# KiCad board CPU.kicad_pcb (continued)
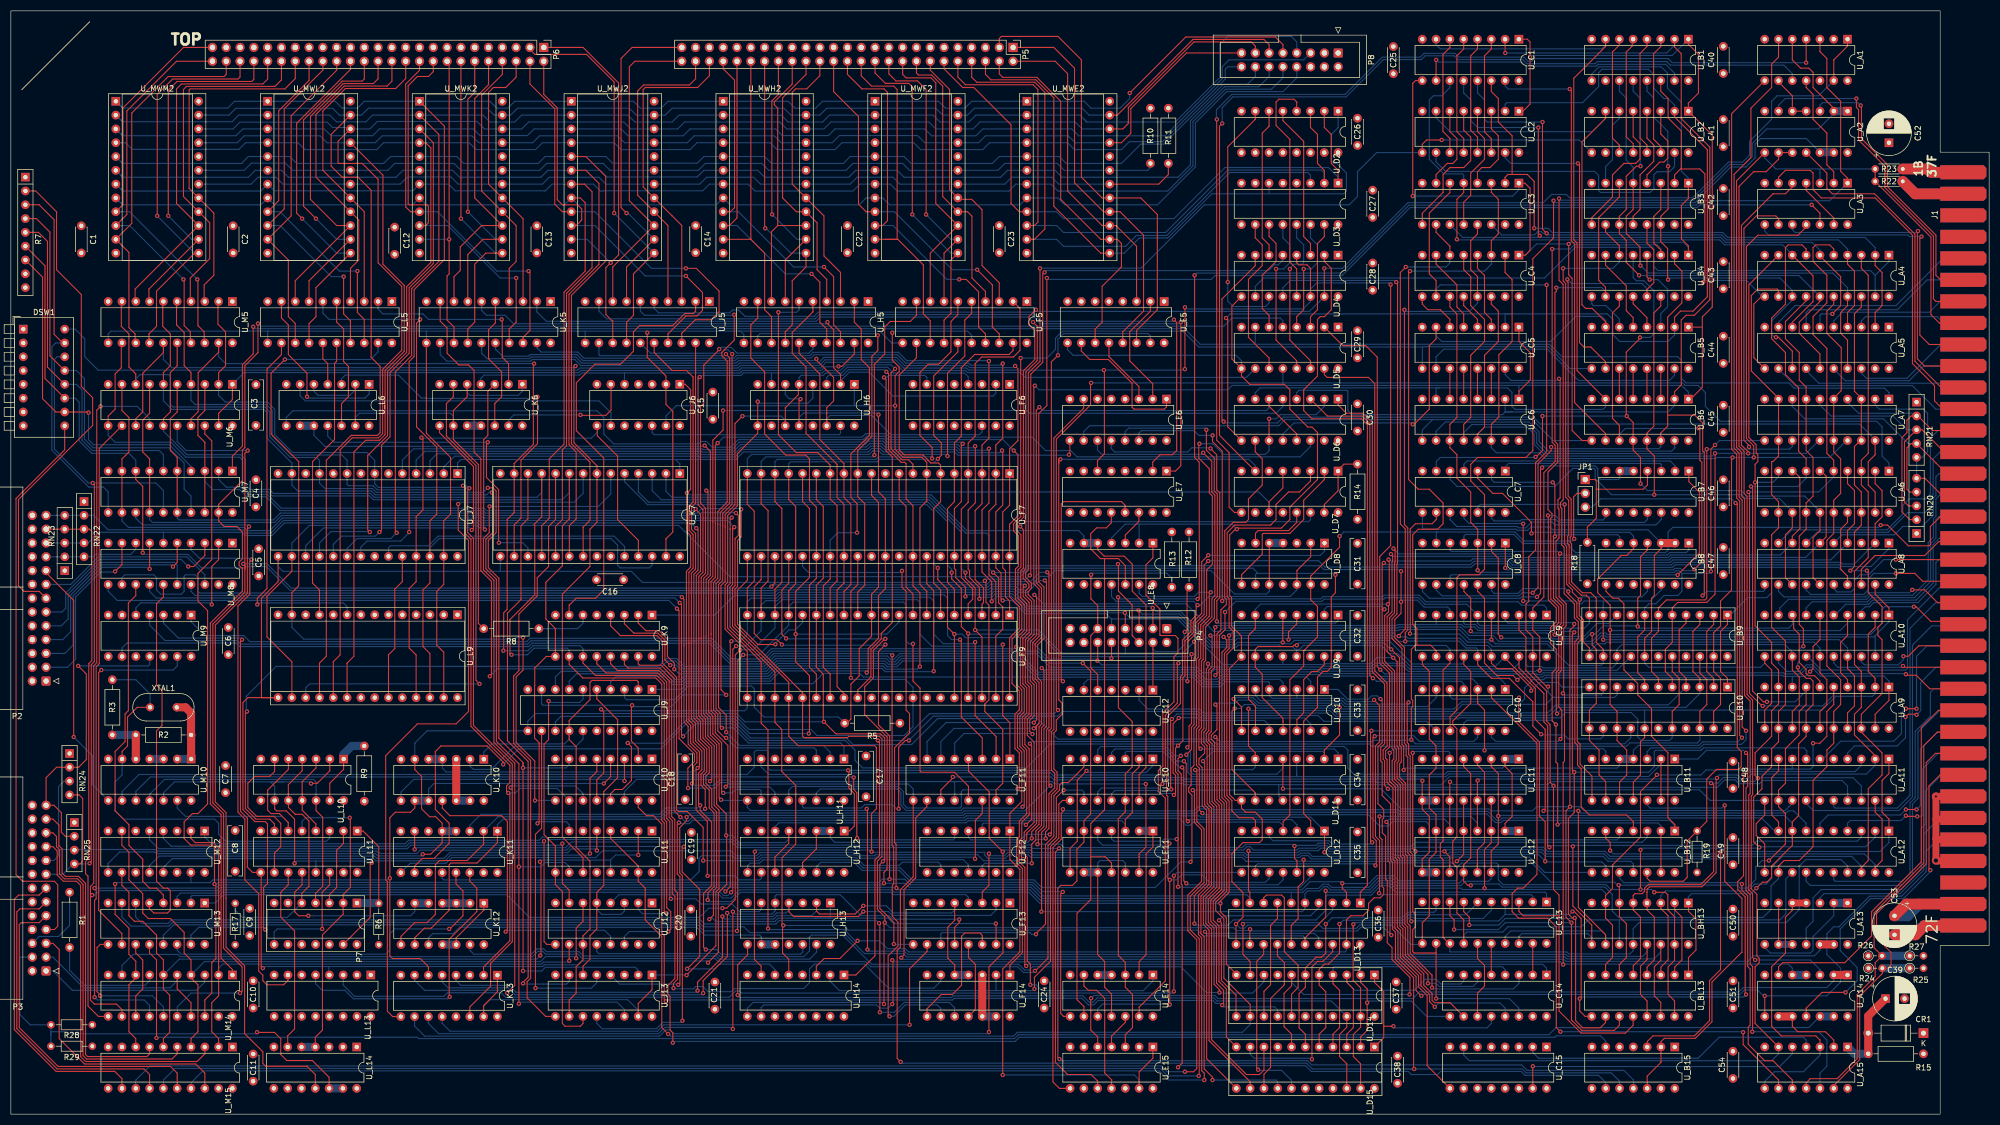
[diagram p0: board, top side]
## Routing (per net, layer and track width the routed paths; a pad name or vN(x,y) marks a point on that pad's centre or on a via; arc(x,y) is an arc through that point) (continued)
  Bottom w0.2: 181.28,25.6 181.28,22.73 152.46,22.73 150.75,24.44 U_H14.2 ; v1(188.34,23.03) 188.04,22.73 181.29,22.73
/~{DMAReadEndStrobe}: length 364.8
  Top w0.2: v1(197.23,82.97) 198.68,81.53 198.68,55.22 197.44,53.98 197.44,50.05 196.15,48.76 196.15,42.91 195.33,42.09 193.17,42.09 192.65,41.56 192.65,10.43 v1(192.95,10.13)
  Bottom w0.2: v1(192.95,10.13) 192.95,9.83 238.59,9.83 239.35,9.07 251.59,9.07 251.6,9.06 277.99,9.06 279,8.05 296.8,8.05 298.58,6.27 298.54,6.23 U_B15.11 ; U_M9.4 25.55,89.95 28.35,87.15 41.63,87.15 42.29,86.48 95.08,86.48 95.7,87.1 128.73,87.1 132.54,83.3 138.25,83.3 140.15,85.19 188.93,85.19 191.15,82.98 197.23,82.98 v1(197.23,82.97)
/~{DSWh_INT_OE}: length 340.2
  Top w0.2: U_M7.1 40.77,121.08 42.6,122.91 42.6,137.91 44.59,139.9 v1(44.59,144.88)
  Bottom w0.2: 345.56,131.74 345.56,132.77 344.75,133.58 328.11,133.58 327.15,134.54 308.23,134.54 307.38,135.4 307.38,138.7 306.71,139.37 285.39,139.37 283.1,141.66 218.82,141.66 215.96,144.52 44.95,144.52 v1(44.59,144.88) ; U_D5.7 228.97,141.67
/~{F11_EN}: length 114.7
  Top w0.2: v1(177.42,46.98) 177.47,47.02 177.47,54.07 178.74,55.34 U_F11.14
  Bottom w0.2: U_K11.12 79.36,43.37 79.64,43.1 125.09,43.1 126.64,44.64 126.64,47.1 127.09,47.55 132.71,47.55 133.17,47.09 137.39,47.09 137.99,47.69 155.71,47.69 156.31,47.09 159.07,47.09 159.25,47.28 177.12,47.28 v1(177.42,46.98)
/~{FPC_SW_4}: length 140.6
  Top w0.2: v1(43.82,108.13) 43.51,107.82 43.51,95.87 37.61,89.97 37.61,57.45 39.59,55.47 39.59,39.75 39.59,39.74 39.59,30.71 43,27.29 43,14.84 46.36,11.48 46.36,9.32 46.87,8.81 54.49,8.81 56.02,7.28 U_L14.11
  Bottom w0.2: U_M7.13 22.98,109.66 24.22,108.42 43.53,108.42 v1(43.82,108.13)
/~{H14_OE}: length 307.4
  Top w0.2: v1(198.76,134.54) 198.66,134.45 198.66,130.5 192.36,124.2 192.36,74.65 v1(192.66,74.35) ; v1(159.52,68.75) 159.58,68.75 159.82,68.5 159.82,47.59 158.99,46.75 158.99,29.12 155.48,25.6 U_H14.1
  Bottom w0.2: U_A6.1 345.56,119.82 344.3,121.08 344.3,126.47 343.28,127.49 314.53,127.49 311.79,130.23 311.79,132.77 310.46,134.09 308.04,134.09 307.59,134.54 234.06,134.54 ; 234.06,134.54 234.05,134.54 U_D5.12 ; 234.06,134.54 v1(198.76,134.54) ; v1(192.66,74.35) 192.01,73.69 169.03,73.69 164.09,68.75 v1(159.52,68.75)
/~{L13A_SET}: length 53.1
  Top w0.2: U_K11.14 84.44,42.87 85.73,41.58 85.73,37.26 80.65,32.18 80.65,21.67 v1(80.74,21.58)
  Bottom w0.2: v1(80.74,21.58) 80.39,21.23 63.02,21.23 61.46,22.78 57.28,22.78 56.06,24 U_L13.5
/~{Level_LD}: length 76.8
  Top w0.2: v1(220.73,122.48) 221.87,121.34 221.87,114.86 222.43,114.3 222.43,95.02 221.9,94.49 v1(221.9,90.65)
  Bottom w0.2: v1(221.9,90.65) 222.19,90.35 243.73,90.35 244.21,90.83 U_D9.1 ; v1(220.73,122.48) 220.6,122.61 217.3,122.61 216.54,121.85 203.08,121.85 202.48,122.45 U_E6.12
/~{M13_EN}: length 67.2
  Top w0.2: 81.9,44.44 81.9,42.36 83.19,41.07 83.19,36.5 80.76,34.08 v1(80.65,34.08)
  Bottom w0.2: U_M13.14 30.59,30.18 31.33,29.43 69,29.43 69.73,30.15 69.73,33.2 70.6,34.08 v1(80.65,34.08)
/~{MainClockPhi1}: length 393.2
  Top w0.2: 140.59,44.47 140.59,47.29 143.13,49.83 143.13,52.09 ; v1(46.36,26.86) 46.05,27.16 46.05,44.38 ; v1(128.27,27.87) 130.18,29.78 130.18,40.74 131.7,42.26 131.7,51.2 v1(131.62,51.28) 131.62,55.25 129.86,57.01 129.86,67.98 128.25,69.59 128.25,72.86 127.48,73.63 127.48,87.79 127.48,87.79 127.48,98.56 128.25,99.34 128.25,114.43 v1(127.96,114.73) ; v1(42.54,87.3) 42.24,87 42.24,55.74 43.51,54.47 43.51,45.44 44.48,44.47 U_L11.9 ; U_D7.11 231.51,112.69 234.05,115.22 U_D7.5
  Bottom w0.2: 57.59,27.16 97.84,27.16 98.16,27.48 104.28,27.48 104.97,28.17 127.97,28.17 v1(128.27,27.87) ; 57.59,27.16 58.5,27.16 58.52,27.14 58.52,25.6 ; 57.59,27.16 46.66,27.16 v1(46.36,26.86) ; v1(131.62,51.28) 132.71,51.28 134.03,49.96 142.5,49.96 143.13,50.59 143.13,52.09 ; U_M9.3 28.09,90.33 30.82,87.6 42.24,87.6 v1(42.54,87.3) ; v1(127.96,114.73) 128.21,114.48 229.62,114.48 231.51,112.59 U_D7.11
/~{MainClockPhi3}: length 68.3
  Bottom w0.2: U_H13.13 148.25,29.8 146.96,28.52 130.3,28.52 129.74,29.08 105.35,29.08 104.53,29.9 98.56,29.9 98.05,30.4 96.78,30.4 95.8,29.43 85.18,29.43 84.48,30.12 84.48,31.19
/~{MAPROM_SEL}: length 358.5
  Top w0.2: v1(157.48,56.18) 157.61,56.05 v1(157.61,30.29) ; 301.06,31.23 301.06,28.44 299.85,27.23 299.85,22.02 301.06,20.81 301.06,17.99 ; v1(130.69,57.84) 130.32,58.2 130.32,68.17 128.71,69.78 128.71,73.05 127.94,73.82 127.94,87.98 127.93,87.98 127.93,98.38 128.71,99.15 128.71,109.17 128.71,109.17 128.71,121.95 v1(127.65,123.02)
  Bottom w0.2: v1(130.69,57.84) 130.8,57.72 U_H11.9 135.51,56.44 136.07,55.88 157.18,55.88 v1(157.48,56.18) ; v1(127.65,123.02) 127.51,122.88 57.77,122.88 55.76,124.89 55.76,126.66 ; v1(157.61,30.29) 157.91,29.99 164.38,29.99 164.98,29.39 286.11,29.39 286.48,29.03 300.25,29.03 301.04,29.82 U_BH13.13
  Bottom w1.5: U_L6.9 55.76,126.66
/~{MemAddr_Count_EN}: length 186.8
  Top w0.2: v1(131.07,59.11) 130.77,59.41 130.77,68.35 129.16,69.96 129.16,73.24 128.39,74.01 128.39,88.16 128.39,88.17 128.39,98.19 129.16,98.96 129.16,108.98 129.16,108.98 129.16,124.01 131.05,125.89 v1(131.05,129.46)
  Bottom w0.2: U_D6.5 234.05,130.21 232.79,128.96 187.45,128.96 186.94,129.46 v1(131.05,129.46) ; U_H11.10 138.05,59.49 137.8,59.74 133.35,59.74 132.72,59.11 v1(131.07,59.11)
/~{MWConst_OE}: length 200.4
  Top w0.2: U_M6.1 40.77,131.49 38.23,128.95 U_M6.19
  Bottom w0.2: U_M6.1 42.91,136.44 104.49,136.44 104.88,136.83 133.97,136.83 134.18,137.04 134.18,137.04 134.45,137.3 148.95,137.3 149.99,138.33 162.58,138.33 164.09,136.83 175.65,136.83 176.03,136.45 185.74,136.45 186.63,135.56 227.34,135.56 U_D5.10
/~{NibbleSwap_EN}: length 147.4
  Top w0.2: v1(259.72,61.35) 259.68,61.31 U_C11.9 259.68,56.09 260.99,54.79 260.99,48.18 259.68,46.88 U_C12.9
  Bottom w0.2: v1(259.72,61.35) 259.42,61.65 216.03,61.65 215.72,61.95 192.13,61.95 191.29,62.8 156.37,62.8 156.35,62.78 154.78,62.78 154.5,62.5 139.48,62.5 138.05,63.94 U_H11.7
  Bottom w1.5: U_C11.10 U_C11.9 ; U_C12.10 U_C12.9
/~{P7_2}: length 34.3
  Top w0.2: U_L14.6 50.94,14.41 52.2,15.67 52.2,33.71 49.66,36.25 49.66,40.82 51.03,42.19 U_L11.11
/~{PTIndex_LD}: length 105.1
  Top w0.2: v1(219.39,121.7) 220.96,120.12 220.96,114.48 221.53,113.92 221.53,95.4 220.99,94.86 220.99,91.45 219.39,89.85 219.39,83.68 219.06,83.36 219.06,71.11 218.59,70.65 218.59,67.54 v1(218.9,67.23)
  Bottom w0.2: v1(218.9,67.23) 218.94,67.2 243.5,67.2 244.21,66.49 U_D11.1 ; U_E6.11 199.94,122.19 200.73,121.4 219.09,121.4 v1(219.39,121.7)
/~{PTRAM_OE}: length 122.1
  Top w0.2: U_B10.18 305.69,74.09 306.96,75.36 306.96,80.19 305.69,81.46 U_B9.18
  Bottom w0.2: U_E12.2 207.6,76.16 209.21,74.55 218.66,74.55 219.41,73.79 242.37,73.79 243.43,72.73 266.34,72.73 266.54,72.93 285.1,72.93 286.06,73.89 298.14,73.89 299.34,72.69 299.34,69.39 299.98,68.76 305.18,68.76 305.69,69.27 U_B10.18
/~{PTRAM_WE}: length 288.1
  Top w0.2: U_K11.10 74.28,45.63 75.69,47.04 77.85,47.04 80.65,49.84 80.65,53.52 78.11,56.06 78.11,66.73 79.12,67.74 87.63,67.74 90.59,64.78 v1(90.59,64.35) ; U_B10.20 310.77,74.09 312.04,75.36 312.04,79.93 310.77,81.2 U_B9.20
  Bottom w0.2: U_B10.20 310.77,68.76 310.32,68.3 297.89,68.3 297.27,67.69 250.45,67.69 250.03,68.1 221.84,68.1 220.93,69.01 192.66,69.01 188.89,72.78 170.53,72.78 165.74,68 154.95,68 153.73,69.21 136.09,69.21 133.03,72.27 124.67,72.27 119.62,67.22 93.35,67.22 93.35,67.11 v1(90.59,64.35)
/~{Reg_OE}: length 133
  Top w0.2: U_D4.2 241.67,156.91 242.95,155.63 242.95,148.01 241.68,146.74 240.92,146.74 240.41,146.23 240.41,135.81 237.87,133.27 237.87,129.46 239.4,127.94 248.53,127.94 249.6,126.87 249.6,42.13 248.29,40.82 U_D13.1
/~{REGF.WE}: length 139
  Top w0.2: U_D14.20 245.81,15.99 244.48,14.66 244.48,10.59 245.81,9.26 U_D15.20 ; v1(133.73,21.9) 133.73,27.48 135.55,29.3 U_H13.8
  Bottom w0.2: U_D14.20 242.98,20.81 221.92,20.81 221.37,21.37 199.87,21.37 199.07,20.57 198.45,20.57 197.25,21.77 173.35,21.77 173.05,21.46 134.18,21.46 v1(133.73,21.9)
/~{Reset_{1}}: length 389.5
  Top w0.2: U_J7.15 49.17,97.98 46.1,94.92 46.1,76.64 U_L9.15 43.61,76.64 42.69,75.72 42.69,56.03 44.9,53.83 46.81,53.83 47.22,53.42 47.22,42.44 46.5,41.73 46.5,34.26 v1(46.8,33.96) ; 181.28,57.72 181.28,59.66 182.5,60.88 182.5,70.79 179.21,74.08 179.21,75.48 179.96,76.23 179.96,93.65 179.42,94.2 179.42,97.94 v1(179.21,98.14) ; v1(190.2,154.91) 189.87,154.58 189.87,138.35 187.67,136.15 187.67,99.32 v1(187.47,99.13)
  Bottom w0.2: 46.61,34.08 46.31,34.38 ; 46.31,34.38 34.58,34.38 33.12,32.92 U_M13.15 ; 46.31,34.38 46.39,34.38 v1(46.8,33.96) ; v1(190.2,154.91) 190.5,155.21 231.43,155.21 232.48,156.26 233.18,156.26 234.05,157.13 U_D4.5 ; U_K7.15 90.06,99.87 ; v1(187.47,99.13) 186.79,98.44 179.51,98.44 178.91,97.84 ; 178.91,97.84 140.27,97.84 140.27,97.84 139.64,97.84 139.64,97.84 116.21,97.84 114.18,99.87 50.04,99.87 49.17,100.75 U_J7.15 ; 178.91,97.84 v1(179.21,98.14)
/~{Reset_{2}}: length 522.2
  Top w0.2: v1(241.68,155.63) 241.67,155.61 U_D4.15 ; v1(188.61,148.01) 187.33,146.73 187.33,145.21 187.35,145.21 188.4,144.17 188.4,138.85 186.3,136.76 186.3,109.79 184.95,108.44 184.95,107.5 185.85,106.6 185.85,100.67 185.3,100.12 185.3,94.93 186.46,93.77 186.46,89.03 185.04,87.61 185.04,86.02 v1(184.97,85.95) 185.04,85.88 185.04,79.05 186,78.09 186,74.2 185.2,73.4 185.2,67.46 186,66.66 186,57.53 183.82,55.34 U_F12.1 183.82,46.85 185.66,45.01 185.66,29.88 182.5,26.73 v1(182.5,7.21) ; U_E15.1 210.14,10.29 207.6,7.75 U_E15.13 ; U_A1.13 335.41,191.44 335.42,191.44 335.42,193.97 335.41,193.98 337.95,196.52 U_A1.1
  Bottom w0.2: U_A1.13 332.62,187.38 325,187.38 323.98,186.36 323.98,183.06 319.92,178.99 319.92,176.45 318.65,175.18 316.04,175.18 312.56,171.7 312.55,171.7 309.46,168.62 286.79,168.62 286.19,169.22 283.47,169.22 281.96,167.71 257.07,167.71 244.99,155.63 v1(241.68,155.63) ; v1(188.61,148.01) 188.91,147.7 238.93,147.7 U_D4.15 ; v1(184.97,85.95) 184.68,85.65 139.96,85.65 138.06,83.75 132.72,83.75 128.92,87.55 95.51,87.55 94.89,86.94 43.97,86.94 42.85,88.05 35.7,88.05 33.16,90.59 U_M9.1 ; U_E15.13 207.6,6.32 206.72,7.21 v1(182.5,7.21)
/~{ResetFlag}: length 177.8
  Top w0.2: v1(123.82,49.2) 123.7,49.2 123.52,49.02 123.52,44.57 126.75,41.34 126.75,29.07 v1(124.43,26.75)
  Bottom w0.2: 8.77,47.55 8.77,60.25 9.8,61.28 RN24.3 ; 8.77,47.55 7.89,46.67 P3.17 ; 8.77,47.55 8.77,48.69 26.67,48.69 26.97,48.38 67.29,48.38 67.71,47.97 74.72,47.97 75.32,48.57 102.25,48.57 102.93,49.25 123.77,49.25 v1(123.82,49.2) ; U_H14.6 140.59,26.6 139.58,27.61 130.31,27.61 129.42,26.72 124.46,26.72 v1(124.43,26.75)
/~{Result_LD}: length 109.1
  Top w0.2: v1(221.11,124.89) 221.11,123.75 222.89,121.97 v1(222.89,94.41)
  Bottom w0.2: U_E6.14 207.56,125.31 208.01,125.76 217.7,125.76 218.57,124.89 v1(221.11,124.89) ; U_C9.1 282.58,93.14 282.06,93.66 277.95,93.66 277.34,94.27 260.36,94.27 259.14,95.48 252.68,95.48 252.41,95.21 241.44,95.21 241.04,94.81 223.29,94.81 v1(222.89,94.41)
/~{RIndex_LD}: length 183.8
  Top w0.2: v1(219.97,125.92) 219.97,125.91 219.97,122.17 221.42,120.72 221.42,114.67 221.98,114.11 221.98,95.21 221.44,94.67 221.44,91.26 219.84,89.66 219.84,83.5 219.51,83.17 219.51,70.92 219.05,70.46 219.05,68.2 219.66,67.59 219.66,66.41 218.6,65.36 218.6,64.38 219.2,63.78 219.2,56.75 220,55.95 220,42.44 217.76,40.2 v1(217.76,35.06)
  Bottom w0.2: v1(217.76,35.06) 218.06,34.76 223.94,34.76 224.91,35.73 240.15,35.73 241.94,37.52 241.94,40.06 242.19,40.31 250.33,40.31 252.07,42.05 253.63,42.05 254.85,40.83 282.31,40.83 282.56,40.58 282.56,38.85 ; v1(219.97,125.92) 219.67,126.22 205.67,126.22 205.02,125.56 U_E6.13
/~{RT_INT}: length 234
  Top w0.2: v1(128.53,35.87) 129.27,36.61 129.27,41.11 129.85,41.7 129.85,55.62 128.96,56.52 128.96,59.82 127.89,60.88 127.89,62.2 128.5,62.81 128.5,67.41 126.89,69.02 126.89,72.3 126.12,73.07 126.12,87.22 126.12,87.23 126.12,99.13 126.89,99.9 126.89,110.4 126,111.29 v1(126,111.35) ; v1(181.23,35.06) 181.28,35.01 181.28,31.23
  Bottom w0.2: 147.9,36.06 150.79,36.06 U_H13.1 ; 147.9,36.06 161.4,36.06 162.4,35.06 v1(181.23,35.06) ; 147.9,36.06 141.19,36.06 140.58,35.45 129.71,35.45 128.91,36.25 v1(128.53,35.87) ; U_M7.2 38.23,116.77 39.63,115.37 42.29,115.37 43.61,114.04 47.18,114.04 49.72,111.51 87.06,111.51 87.52,111.05 125.7,111.05 v1(126,111.35)
/~{RTC_INT_Reset}: length 68.5
  Top w0.2: v1(16.64,81.71) 16.15,81.23 16.15,37.49 20.42,33.22 U_M13.10
  Bottom w0.2: U_M9.13 30.62,82.49 29.85,81.71 v1(16.64,81.71)
/~{SEL_H_{L0}H_{L4}}: length 43.3
  Top w0.2: U_D2.4 236.59,186.22 236.6,186.23 236.1,186.74 233.3,186.74 232.79,186.23 232.79,181.91 235.33,179.38 235.33,156.77 236.59,155.51 U_D4.13
/~{SEL_H_{L1}H_{L5}}: length 28.6
  Top w0.2: U_D4.3 239.13,160.18 239.14,160.2 237.87,161.47 237.87,178.99 234.05,182.82 U_D2.5
/~{SEL_H_{L2}H_{L6}}: length 27.5
  Top w0.2: U_D4.6 231.51,159.96 230.25,161.21 230.25,180.52 231.52,181.79 231.51,181.8 U_D2.6
/~{SEL_H_{L3}H_{L7}}: length 46.5
  Top w0.2: v1(223.9,153.09) 223.9,177.98 228.98,183.06 228.97,183.07 U_D2.7
  Bottom w0.2: U_D4.11 231.51,149.26 230.85,148.61 224.9,148.61 223.9,149.6 v1(223.9,153.09)
/~{SEL_H_{L8}}: length 19.9
  Top w0.2: U_D3.15 241.67,161.45 240.41,160.2 240.41,148.01 239.13,146.72 U_D5.3
/~{SEL_H_{L9}}: length 21.8
  Top w0.2: U_D5.4 236.59,146.72 237.87,148.01 v1(237.87,155.51)
  Bottom w0.2: U_D3.14 239.13,161.23 240.41,159.94 240.41,156.64 239.28,155.51 v1(237.87,155.51)
/~{SEL_H_{L10}}: length 30.5
  Top w0.2: v1(235.33,155.51) 235.33,142.42 239.13,138.62 U_D5.14
  Bottom w0.2: v1(235.33,155.51) 235.33,155.63 236.1,156.39 237.62,156.39 237.87,156.64 237.87,159.94 236.59,161.23 U_D3.13
/~{SEL_H_{L11}}: length 30.5
  Top w0.2: v1(232.79,155.51) 232.79,142.42 236.59,138.62 U_D5.13
  Bottom w0.2: U_D3.12 234.05,161.23 235.33,159.94 235.33,156.64 234.2,155.51 v1(232.79,155.51)
/~{SEL_H_{L12}}: length 21
  Top w0.2: U_D3.11 231.51,161.48 232.79,160.2 232.79,156.9 230.25,154.36 230.25,148.23 231.51,146.97 U_D5.6
/~{SEL_H_{L13}}: length 29.6
  Top w0.2: U_D5.11 231.51,139.13 227.71,142.93 227.71,153.59 230.25,156.13 230.25,159.94 228.97,161.23 U_D3.10
/~{SenseSW_OE}: length 321.6
  Top w0.2: v1(45.47,145.47) 45.47,140.13 43.06,137.72 43.06,122.65 42.6,122.19 42.6,116.56 38.23,112.19 U_M7.19 38.23,109.15 39.25,108.13 41.59,108.13 42.6,107.11 42.6,102.17 42,101.57 42,100.95 42.44,100.51 42.6,100.51 42.6,96.24 36.71,90.35 36.71,57.07 38.68,55.1 38.68,40.12 38.68,40.12 38.68,28.69 40.77,26.6 U_M14.1
  Bottom w0.2: U_D5.5 234.05,145.99 233.56,146.48 224.67,146.48 223.16,144.98 45.96,144.98 v1(45.47,145.47)
/~{Swap_OE}: length 153.9
  Top w0.2: U_C12.2 274.92,53.48 276.23,54.79 276.23,62.66 274.92,63.97 U_C11.2 ; v1(254.91,153.09) 255.15,152.86 255.15,101.34 255.04,101.24 255.04,92.04 254.14,91.14 254.14,87.51 255.96,85.68 255.96,68.05 256.28,67.74 v1(256.28,63.31)
  Bottom w0.2: U_D4.12 234.05,152.06 235.39,153.39 254.61,153.39 v1(254.91,153.09) ; U_C11.2 274.92,64.15 274.45,63.68 256.65,63.68 v1(256.28,63.31)
  Bottom w1.5: U_C12.2 U_C12.1 ; U_C11.1 U_C11.2
/~{WorkAddr_Count_EN}: length 189.6
  Top w0.2: v1(131.53,60.25) 131.92,60.64 131.92,67.85 129.62,70.15 129.62,73.42 128.84,74.2 128.84,88.35 128.84,88.35 128.84,98 129.62,98.78 129.62,108.79 129.62,108.79 129.62,123.04 v1(130.05,123.47)
  Bottom w0.2: v1(130.05,123.47) 131.15,124.56 156.62,124.56 157.25,125.19 161.04,125.19 161.66,124.56 187.91,124.56 190.38,122.09 195.01,122.09 196.15,120.94 237.23,120.94 239.14,122.86 239.13,122.88 U_D6.14 ; U_H11.11 140.59,59.24 139.63,60.19 131.58,60.19 v1(131.53,60.25)
/~{WorkAddr_LD_HI}: length 248.6
  Top w0.2: v1(185.25,59.87) 185.55,60.17 185.55,66.47 184.75,67.27 184.75,73.59 185.55,74.39 185.55,77.9 184.22,79.23 184.22,87.43 186,89.21 186,93.58 184.84,94.75 184.84,100.31 185.4,100.86 185.4,106.42 184.5,107.31 184.5,108.63 185.8,109.94 v1(185.8,139.12)
  Bottom w0.2: 259.72,141.15 259.72,137.21 ; 259.72,141.15 218.57,141.15 215.65,144.07 193.49,144.07 192.21,142.79 192.21,140.69 190.63,139.12 v1(185.8,139.12) ; 259.72,141.15 259.77,141.2 282.91,141.2 285.79,138.32 285.79,138.27 286.87,137.19 U_B5.9 ; v1(185.25,59.87) 185.05,59.67 175.19,59.67 174.88,59.36 174.88,56.57 174.65,56.33 164.91,56.33 164.21,57.02 164.21,59.36 163.29,60.28 143.8,60.28 143.13,59.61 U_H11.12
/~{WorkAddr_LD_LO}: length 347.6
  Top w0.2: v1(189.36,155.63) 189.36,138.53 187.21,136.38 187.21,100.11 186.72,99.62 186.72,98.79 187.77,97.73 187.77,96.73 187.17,96.13 187.17,95.62 188.27,94.52 188.27,88.27 187.11,87.11 187.11,79.55 187.82,78.84 187.82,73.45 187.02,72.65 187.02,69.7 188.27,68.45 188.27,53.68 186.46,51.87 186.46,50.6 185.97,50.11 185.97,47.24 v1(186.27,46.94) ; v1(263.27,179.25) 260.48,179.25 259.7,178.47 259.7,176.93
  Bottom w0.2: 185.94,46.64 186.24,46.94 v1(186.27,46.94) 185.97,46.64 178.97,46.64 177.88,47.73 159.06,47.73 158.88,47.55 156.5,47.55 155.9,48.15 137.8,48.15 137.2,47.55 133.36,47.55 132.46,48.44 108.83,48.44 107.6,47.21 81.12,47.21 80.07,46.15 73.46,46.15 U_K11.9 ; 290.88,176.93 288.56,179.25 v1(263.27,179.25) ; 259.7,176.93 251.3,176.93 247.78,173.41 247.78,168.83 246.26,167.31 219.6,167.31 207.95,155.66 189.4,155.66 v1(189.36,155.63)
Address.A_{0}: length 72.6
  Top w0.2: U_B3.2 306.12,172.82 307.22,173.91 310.77,173.91 311.7,172.99 311.7,153.39 v1(311.4,153.09) ; 307.34,173.91 307.37,173.94 307.37,180.87 304.93,183.31 304.93,186.87 303.58,188.22 U_B1.14 ; U_A5.11 320.7,139.19 320.7,149.04 322.09,150.44
  Bottom w0.2: v1(311.4,153.09) 311.7,153.39 319.35,153.39 322.21,150.54
Address.A_{1}: length 81.3
  Top w0.2: v1(324.76,142.96) 325.22,142.96 327.79,140.39 327.79,140.38 U_A5.13 ; v1(304.93,174.42) 304.93,166.55 303.58,165.2 U_B3.14 303.58,160.53 304.84,159.28 304.84,153.64 v1(304.93,153.55)
  Bottom w0.2: v1(304.93,153.55) 304.93,153.59 305.18,153.85 325.5,153.85 327.79,151.57 327.79,149.78 323.98,145.97 323.98,143.43 324.46,142.96 v1(324.76,142.96) ; U_B1.13 301.04,188.22 302.26,187 302.26,183.44 304.88,180.82 304.88,174.47 v1(304.93,174.42)
Address.A_{2}: length 91.4
  Top w0.2: 297.31,166.55 295.96,165.2 U_B3.11 295.96,162.06 297.22,160.79 297.22,156.73 v1(299.6,154.36) ; v1(299.85,174.42) 299.09,174.42 297.23,172.56 297.23,166.55 ; 332.87,150.55 332.87,149.53 329.06,145.72 329.06,143.68 332.87,139.87 U_A5.15
  Bottom w0.2: v1(299.85,174.42) 299.8,174.47 299.8,186.92 298.5,188.22 U_B1.12 ; v1(299.6,154.36) 299.65,154.3 329,154.3 U_A4.15
Address.A_{3}: length 92.3
  Top w0.2: 297.31,165.28 298.5,166.47 U_B3.5 ; U_A4.17 337.94,148.76 336.68,147.5 336.68,143.69 337.94,142.42 U_A5.17 ; v1(299.85,156.13) 299.76,156.23 299.76,159.53 297.31,161.98 ; 297.23,165.28 297.23,161.98
  Bottom w0.2: v1(299.85,156.13) 299.89,156.13 301.27,154.76 335.25,154.76 337.94,152.06 U_A4.17 ; U_B1.11 295.96,188.22 297.21,186.97 297.21,175.54 298.5,174.25 U_B3.5
Address.A_{4}: length 114.5
  Top w0.2: v1(280.3,162.99) 280.29,163 280.29,171.63 279.02,172.9 276.23,172.9 ; 276.23,172.9 276.23,180.01 273.69,182.55 273.69,186.87 272.4,188.16 U_C1.14 ; 276.23,172.9 275.47,172.9 274.94,172.37 U_C3.2 ; U_A4.2 343.02,156.13 343.04,156.13 344.3,154.86 344.3,148.78 343.02,147.5 U_A5.2
  Bottom w0.2: v1(280.3,162.99) 282.83,162.99 283.59,162.23 314.98,162.23 315.89,161.32 341.16,161.32 343.04,159.44 343.04,158.16
Address.A_{5}: length 122.6
  Top w0.2: U_A5.4 337.94,147.49 339.22,148.77 339.22,155.12 337.94,156.39 U_A4.4 ; v1(282.58,162.08) 281.82,162.84 v1(281.82,182.55)
  Bottom w0.2: U_C3.14 274.3,161.78 280.35,161.78 280.95,162.38 281.62,162.38 281.92,162.08 v1(282.58,162.08) 282.88,161.78 314.8,161.78 315.7,160.87 336.27,160.87 337.96,159.18 337.96,158.16 ; v1(281.82,182.55) 271.66,182.55 271.15,183.06 271.15,186.61 269.86,187.9 U_C1.13
Address.A_{6}: length 129.5
  Top w0.2: v1(281.31,161.62) 281.05,161.88 v1(281.05,181.53) ; 332.87,157.91 336.68,154.09 336.68,148.77 v1(335.16,147.24)
  Bottom w0.2: U_C3.11 267.14,161.32 281.45,161.32 ; U_A5.6 332.87,146.99 333.12,147.24 v1(335.16,147.24) ; v1(281.31,161.62) 281.45,161.48 281.45,161.32 ; U_C1.12 267.32,187.9 268.61,186.61 268.61,182.8 269.88,181.53 v1(281.05,181.53) ; 281.45,161.32 314.61,161.32 315.52,160.41 331.4,160.41 332.88,158.93 332.88,158.16
Address.A_{7}: length 116.1
  Top w0.2: v1(266.07,160.96) 266.07,168.33 267.32,169.58 U_C3.5 ; U_A5.8 327.79,145.72 331.6,149.53 331.6,154.24 U_A4.8
  Bottom w0.2: 327.8,158.16 326,159.96 315.33,159.96 314.42,160.87 266.16,160.87 v1(266.07,160.96) ; U_C3.5 267.32,172.77 267.08,173.01 263.67,173.01 260.99,175.69 260.99,186.61 261.75,187.38 263.27,187.38 264.78,188.88 U_C1.11
Address.A_{8}: length 157.4
  Top w0.2: v1(311.28,95.43) 311.59,95.74 311.59,121.74 311.29,122.04 311.29,127.17 309.84,128.62 304.85,128.62 ; U_B6.14 303.58,125.32 304.85,126.59 304.85,128.62 ; v1(283.4,122.74) 283.4,122.08 281,119.67 281,96.91 v1(280.03,95.94) ; 304.85,128.62 304.85,146.66 307.47,149.28 307.47,155.12 306.12,156.47 U_B4.2
  Bottom w0.2: U_A8.11 322.7,96.44 322.46,96.19 312.04,96.19 v1(311.28,95.43) ; v1(283.4,122.74) 283.7,122.44 303.24,122.44 303.58,122.78 U_B6.14 ; 262.26,97.44 262.26,96.44 263.33,95.37 277.51,95.37 278.08,95.94 v1(280.03,95.94)
Address.A_{9}: length 123.2
  Top w0.2: v1(302.39,113.97) 302.39,121.08 301.04,122.43 U_B6.13 301.04,125.32 302.31,126.59 302.31,147.42 303.58,148.69 U_B4.14 ; 327.79,97.45 326.52,98.72 326.52,106.6 327.79,107.87 327.79,110.91
  Bottom w0.2: U_C7.5 264.82,116.78 266.11,115.49 284.1,115.49 287.42,118.81 291.25,118.81 291.52,118.54 291.52,116.96 294.52,113.97 v1(302.39,113.97) 318.51,113.97 319.21,113.27 325.43,113.27 327.79,110.91
Address.A_{10}: length 142.3
  Top w0.2: v1(281.82,128.46) 281.82,122.1 280.65,120.93 v1(280.55,120.93) ; v1(299.76,142.92) 299.76,142.74 297.23,140.21 297.23,128.53 v1(297.31,128.45) 298.5,127.26 U_B6.12 298.5,122.18 299.85,120.83 v1(299.85,116.01) ; 332.87,97.45 331.6,98.72 331.6,106.1 332.87,107.36 332.87,110.91
  Bottom w0.2: 332.87,110.91 330.05,113.72 319.4,113.72 318.39,114.73 301.13,114.73 v1(299.85,116.01) ; v1(280.55,120.93) 280.45,120.83 263.02,120.83 262.28,120.09 U_C7.6 ; v1(299.76,142.92) 301.62,142.92 302.31,143.61 302.31,151.52 300.49,153.34 299.09,153.34 298.5,153.93 U_B4.5 ; v1(281.82,128.46) 281.82,128.45 v1(297.31,128.45)
Address.A_{11}: length 183.8
  Top w0.2: U_B4.11 295.96,148.69 294.69,147.42 294.69,128.02 295.96,126.75 U_B6.11 ; U_B10.1 315.85,80.19 314.58,81.46 314.58,88.82 315.85,90.09 U_B9.1 ; U_C8.1 274.98,100.53 v1(274.96,100.51) ; v1(310.53,126.22) 310.77,125.98 310.77,120.32 311.13,119.96 311.13,101.62 v1(309.76,100.25) ; 337.94,97.45 337.94,98.99 336.68,100.25 336.68,107.62 337.94,108.89 337.94,110.91
  Bottom w0.2: 323.98,100.62 336.32,100.62 337.95,98.98 337.94,98.98 337.94,97.45 ; 323.98,100.62 323.98,95.94 323.07,95.03 319.56,95.03 316.36,91.83 ; 323.98,100.62 310.12,100.62 309.76,100.25 v1(309.76,100.25) 309.51,100 307.6,100 307.18,100.42 306.18,100.42 305.91,100.15 275.32,100.15 v1(274.96,100.51) ; v1(310.53,126.22) 310.46,126.16 297.06,126.16 295.96,125.07 U_B6.11
Address.A_{12}: length 209.6
  Top w0.2: U_C4.2 274.94,154.84 276.23,153.55 276.23,142.16 273.78,139.72 273.78,128.29 272.4,126.9 U_C6.14 ; U_B10.21 313.31,74.09 314.58,75.36 314.58,80.19 313.31,81.46 U_B9.21 313.31,88.57 314.58,89.84 314.58,94.41 316.59,96.42 316.59,120.63 v1(316.79,120.83) ; v1(320.69,120.83) 320.68,120.84 320.68,122.98 319.34,124.32 319.34,159.62 321.44,161.72 328.82,161.72 330.33,163.24
  Bottom w0.2: U_C6.14 272.4,122.63 273.34,121.68 281.2,121.68 282.26,120.63 313.67,120.63 313.87,120.83 v1(316.79,120.83) v1(320.69,120.83) 334.65,120.83 337.94,124.12
Address.A_{13}: length 203.1
  Top w0.2: U_C4.14 272.4,149.04 273.69,147.75 273.69,142.16 271.15,139.62 271.15,126.42 269.86,125.13 U_C6.13 ; v1(319.66,121.59) 319.66,121.86 318.43,123.1 318.43,163.54 324.23,169.34 326.52,169.34 327.8,170.62 ; v1(313.57,121.59) 313.57,95.68 312.04,94.16 306.71,94.16 305.69,93.14 U_B9.5 305.69,86.79 304.42,85.52 304.42,81.46 305.69,80.19 U_B10.5
  Bottom w0.2: U_C6.13 269.86,125.13 271.15,126.42 279.01,126.42 280.29,125.13 280.29,123.23 282.44,121.08 313.06,121.08 v1(313.57,121.59) v1(319.66,121.59) 330.33,121.59 332.87,124.12
Address.A_{14}: length 207.5
  Top w0.2: U_C6.12 267.32,126.9 268.61,128.19 268.61,139.62 271.15,142.16 271.15,146.23 268.61,148.77 268.61,154.1 267.32,155.39 U_C4.5 ; v1(319.82,122.77) 319.82,123.05 318.88,123.99 318.88,162.98 321.19,165.28 324.74,165.28 325.25,164.76 325.25,163.5 ; U_B10.6 303.15,80.19 301.88,81.46 301.88,87.55 303.15,88.82 U_B9.6 303.15,93.14 304.62,94.61 311.73,94.61 312.04,94.92 v1(312.04,122.35)
  Bottom w0.2: 319.92,122.35 319.92,122.68 v1(319.82,122.77) ; 319.92,122.35 327.28,122.35 327.79,122.86 327.79,124.12 ; 319.92,122.35 v1(312.04,122.35) 311.23,121.54 282.63,121.54 280.75,123.42 280.75,125.32 279.18,126.89 268.82,126.89 267.32,125.38 U_C6.12
Address.A_{15}: length 157.2
  Top w0.2: v1(313.57,123.11) 312.8,122.35 312.8,99.87 v1(312.8,99.86) ; v1(269.88,100.06) 269.9,100.08 U_C8.3 269.9,107.6 268.61,108.89 268.61,114.48 266.07,117.02 266.07,121.34 264.78,122.63 U_C6.11 264.78,126.9 266.07,128.19 266.07,147.24 264.78,148.53 U_C4.11 ; U_B10.7 300.61,79.93 299.34,81.2 299.34,87.81 300.61,89.08 U_B9.7
  Bottom w0.2: v1(269.88,100.06) 270.25,99.69 306.1,99.69 306.37,99.97 306.99,99.97 307.47,99.49 ; v1(312.8,99.86) 312.43,99.49 307.47,99.49 ; U_B9.7 300.61,93.14 301.37,93.9 302.64,93.9 304.17,95.43 306.71,95.43 307.47,96.19 307.47,99.49 ; v1(313.57,123.11) 314.4,123.94 U_A7.11
